# Altium PCB PCB3.PcbDoc
Units mm, origin at the board's own origin, x right, y up, seen from the top; angles counter-clockwise.
Board outline 99.85 x 80.11 mm, 2 copper layers (Top Layer, Bottom Layer); 64 components, 43 nets, 242 pads, 59 vias.
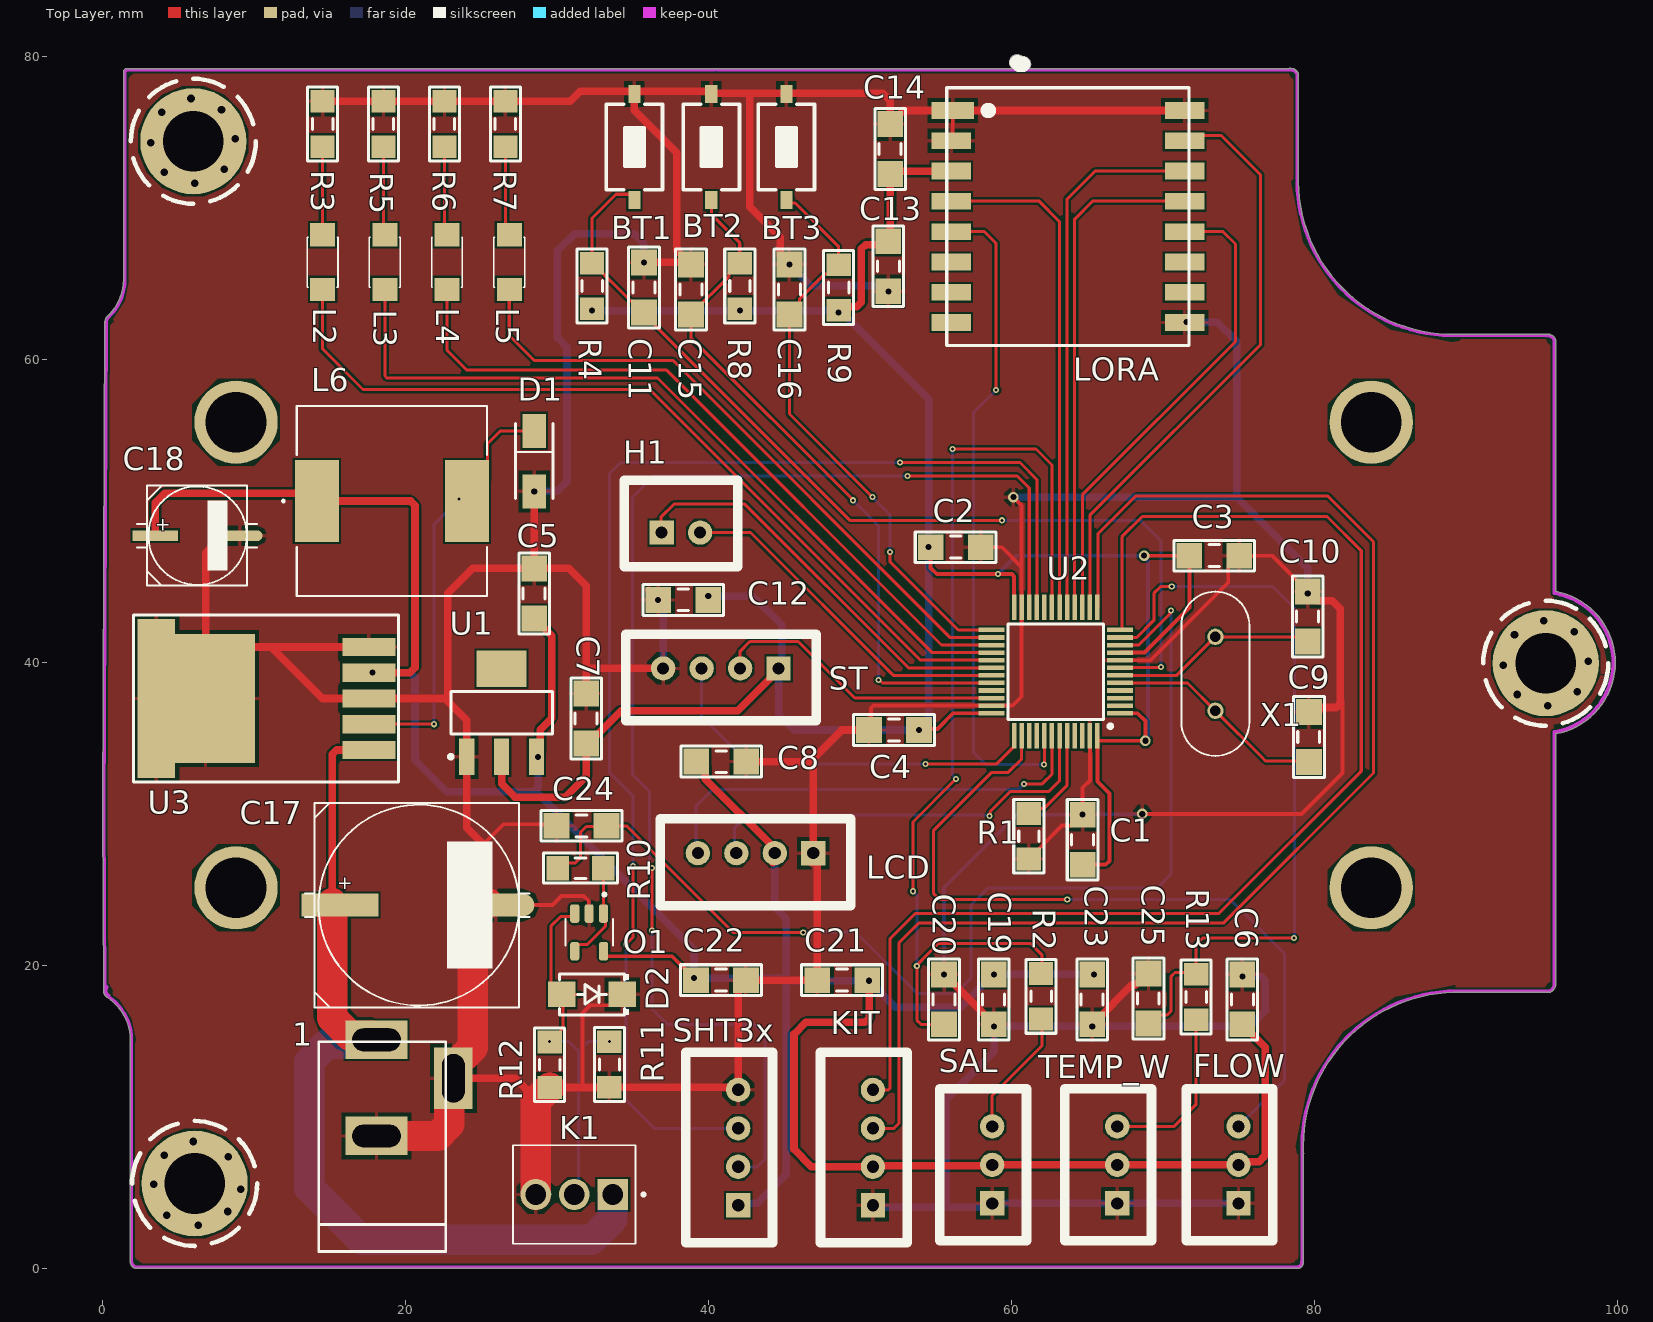
[diagram p0: Top Layer view]
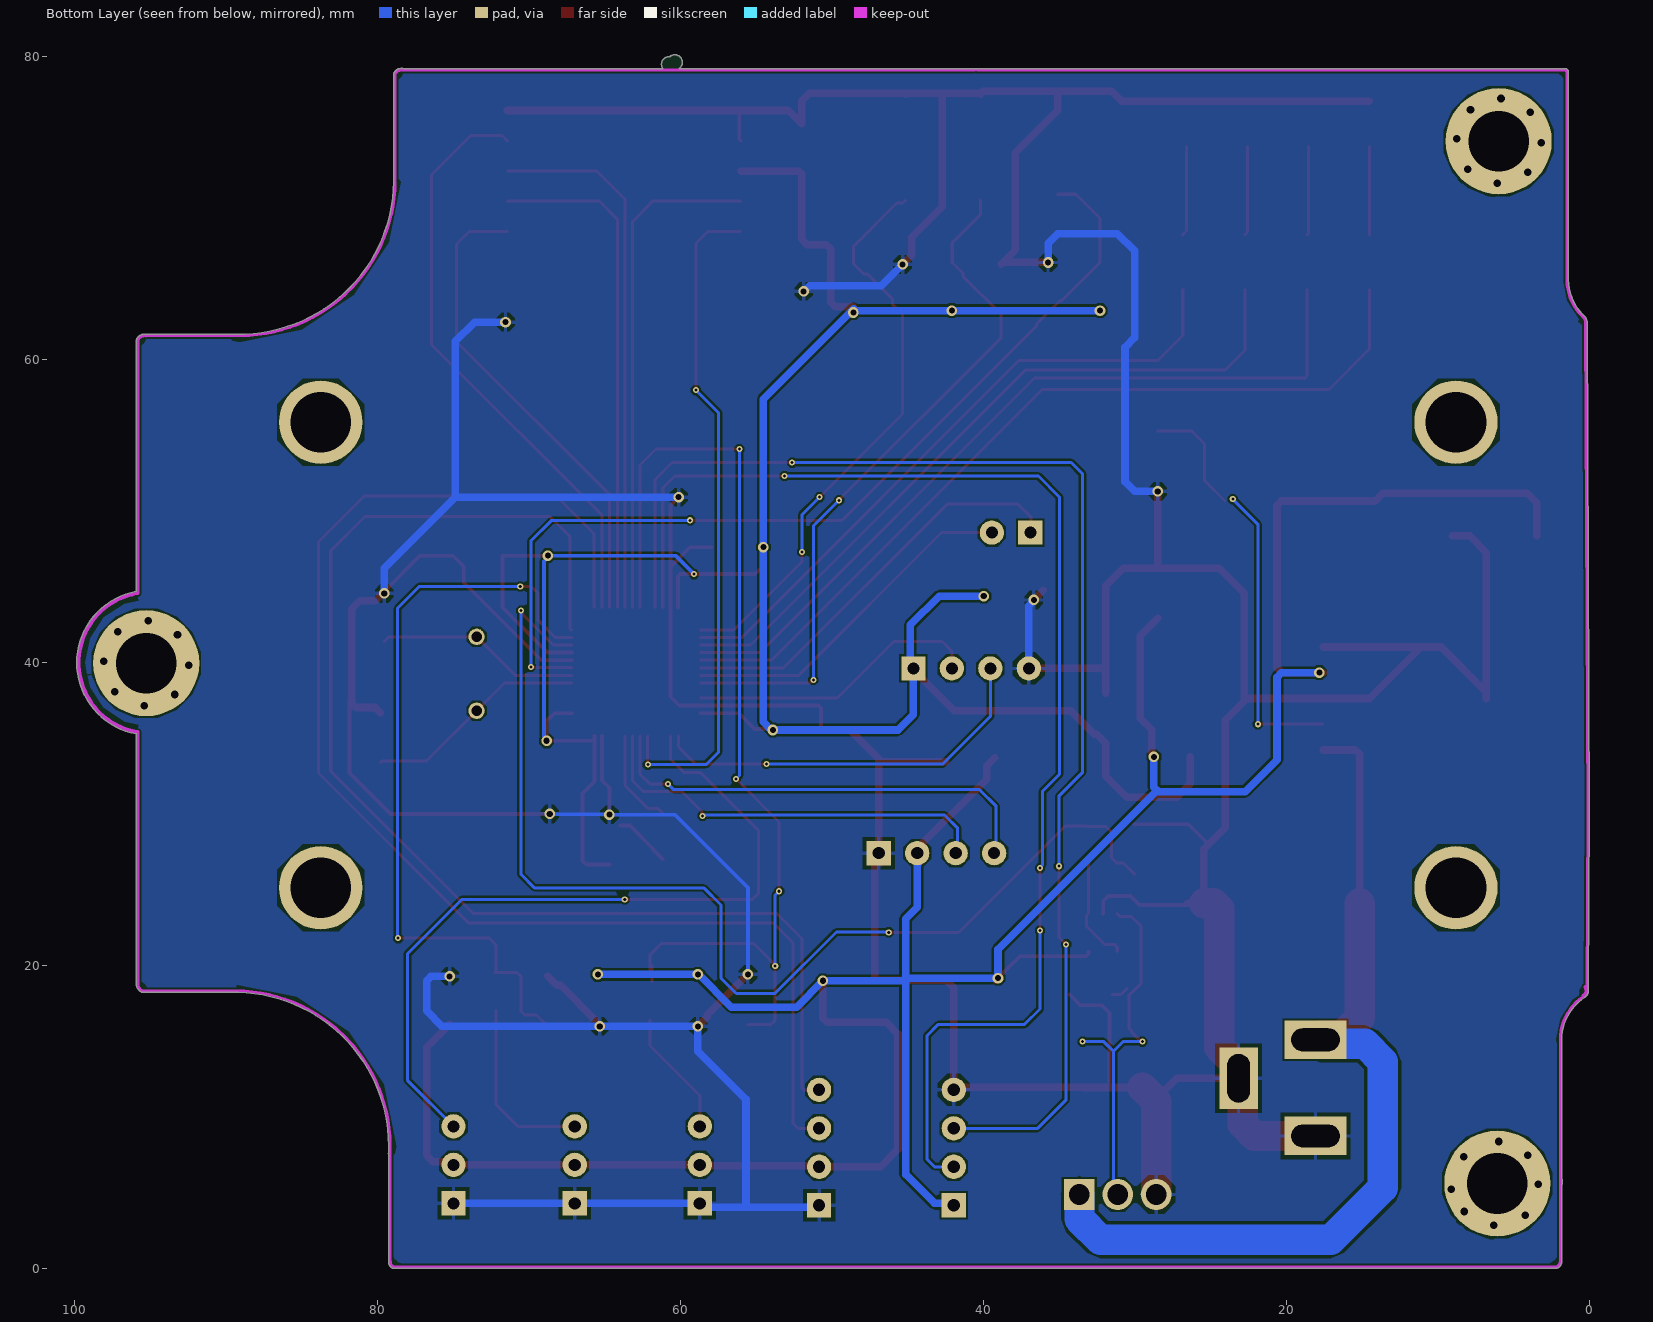
[diagram p1: Bottom Layer view, seen from below]
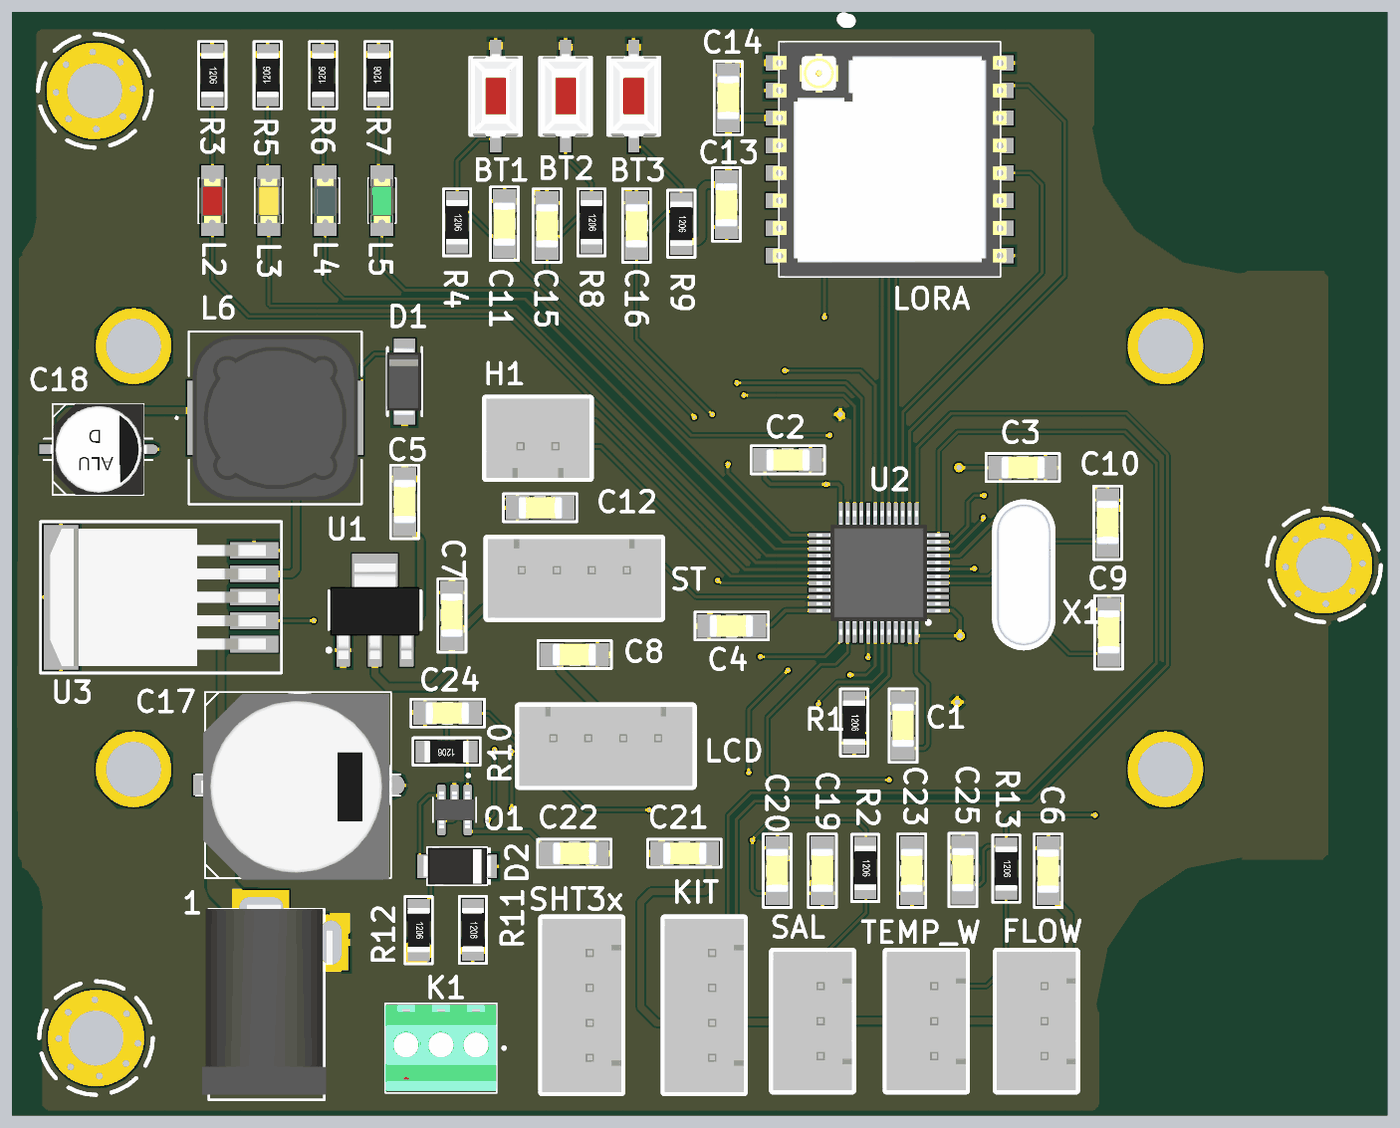
[diagram p2: 3D render of the assembled board from above, using the file's embedded part models]

## Layer stack, top to bottom
Top Solder: solder mask 0.0102, Solder Resist, Dk 3.5
Top Layer: signal copper 0.0356
Dielectric 1: dielectric 0.32, FR-4, Dk 4.8
Bottom Layer: signal copper 0.0356
Bottom Solder: solder mask 0.0102, Solder Resist, Dk 3.5

## Board outline
0.274,17.935 cw(c0.559,18.364) 0.046,18.41 -0.024,30.098 0.128,62.481 cw(c0.776,62.428) 0.401,62.958 ccw(c-1.986,65.313) 1.366,65.261 1.366,79.038 cw(c1.467,79.038) 1.387,79.099 cw(c1.829,78.765) 1.487,79.201 cw(c1.549,79.122) 1.562,79.221 40.411,79.221 cw(c40.411,79.121) 40.475,79.199 cw(c40.538,79.121) 40.538,79.221 60.05,79.221 59.997,79.275 cw(c60.35,79.629) 60.684,80.002 60.731,80.002 cw(c60.731,79.502) 61.232,79.502 cw(c60.731,79.502) 61.146,79.221 78.27,79.221 cw(c78.381,78.638) 78.492,79.221 78.541,79.221 cw(c78.541,79.121) 78.624,79.178 cw(c78.38,78.659) 78.905,78.889 cw(c78.813,78.849) 78.914,78.849 78.914,71.857 cw(c78.813,71.857) 78.898,71.802 cw(c78.809,71.755) 78.909,71.756 ccw(c89.078,71.857) 89.281,61.689 cw(c89.306,61.592) 89.306,61.693 89.41,61.693 ccw(c89.078,71.852) 89.529,61.697 cw(c89.533,61.597) 89.564,61.693 95.449,61.693 cw(c95.449,61.592) 95.52,61.663 cw(c95.344,61.11) 95.873,61.349 cw(c95.764,61.297) 95.885,61.302 cw(c95.784,61.302) 95.884,61.288 95.884,44.707 cw(c95.047,40.005) 99.823,40.005 cw(c95.047,40.005) 95.884,35.303 95.884,29.155 95.884,18.699 cw(c95.783,18.699) 95.881,18.675 cw(c95.275,18.815) 95.536,18.251 cw(c95.494,18.342) 95.484,18.242 89.179,18.241 cw(c89.179,18.342) 89.158,18.244 ccw(c89.408,8.077) 79.239,8.126 cw(c79.144,8.094) 79.244,8.094 79.244,7.745 ccw(c89.406,8.077) 79.249,7.626 cw(c79.134,7.624) 79.244,7.591 79.244,0.468 cw(c79.144,0.468) 79.227,0.412 cw(c78.832,0.412) 78.837,0.017 2.171,0.017 cw(c2.171,0.117) 2.141,0.022 cw(c2.286,0.483) 1.803,0.461 1.803,5.549 cw(c1.932,5.627) 1.781,5.627 cw(c5.932,5.627) 1.803,6.051 1.803,15.09 ccw(c-1.703,15.108) 1.803,15.107 ccw(c-1.55,15.107) 0.307,17.899 cw(c0.362,17.983)

## Design rules (kind name [scope] priority, off if disabled: settings)
Clearance power [InNetClass('power')] p1: gap=0.254 ignorepadtopadclearanceinfootprint=FALSE
Clearance Signal [All] p2: gap=0.127 ignorepadtopadclearanceinfootprint=FALSE
PolygonConnect [All] p1: connectstyle=Relief reliefconductorwidth=0.254 reliefentries=4 polygonreliefangle="90 Angle" airgapwidth=0.254
RoutingVias power_RoutingVias [InNetClass('power')] p1: holewidth=0.4 width=0.7 viastyle="Through Hole" minholewidth=0.4 minwidth=0.7 maxholewidth=0.6 maxwidth=1.1
RoutingVias Signal_RoutingVias_1 [All] p2: holewidth=0.2 width=0.4 viastyle="Through Hole" minholewidth=0.2 minwidth=0.4 maxholewidth=0.2 maxwidth=0.4
SolderMaskExpansion [All] p1: expansion=0.102 istentingtop=FALSE
Width Width_power [InNetClass('power')] p1: maxlimit=2 minlimit=0.254 preferedwidth=0.5
Width Width_signal [All] p2: maxlimit=0.2 minlimit=0.2 preferedwidth=0.2
30 further rules are at their usual default settings.

## Components (designator, comment, footprint, x,y, rotation, side; value= is the part's Value field where it differs from the comment)
1 "JACK DC 5.5" "JACK DC 5.5" 20.599,11.938 r90 top value="Jac DC"
BT1 "Nut Nhan 2 Chan SMD 3x6x2.5" "Nut Nhan 2 Chan SMD 3x6x2.5" 35.077,74.041 r270 top
BT2 "Nut Nhan 2 Chan SMD 3x6x2.5" "Nut Nhan 2 Chan SMD 3x6x2.5" 40.157,74.041 r270 top
BT3 "Nut Nhan 2 Chan SMD 3x6x2.5" "Nut Nhan 2 Chan SMD 3x6x2.5" 45.11,74.041 r270 top
C1 "104" "tu 1206" 64.668,28.321 r90 top
C2 "104" "tu 1206" 56.287,47.625 r0 top
C3 "104" "tu 1206" 73.355,47.066 r0 top
C4 "104" "tu 1206" 52.222,35.56 r180 top
C5 "106" "tu 1206" 28.473,44.577 r90 top
C6 "104" "tu 1206" 75.209,17.78 r270 top
C7 "106" "tu 1206" 31.902,36.322 r90 top
C8 "104" "tu 1206" 40.818,33.477 r180 top
C9 "104" "tu 1206" 79.604,35.103 r90 top
C10 "104" "tu 1206" 79.527,43.053 r90 top
C11 "104" "tu 1206" 35.712,64.771 r270 top
C12 "104" "tu 1206" 38.304,44.145 r0 top
C13 "104" "tu 1206" 51.841,66.168 r270 top
C14 "106" "tu 1206" 51.968,73.913 r90 top
C15 "104" "tu 1206" 38.811,64.643 r270 top
C16 "104" "tu 1206" 45.314,64.643 r270 top
C17 "CN-ALU-SMD" CAP-ALU-SMD-H 20.853,24.003 r0 top
C18 "CN-ALU-SMD" CAP-ALU-SMD-D 6.248,48.387 r0 top
C19 "104" "tu 1206" 58.805,17.78 r90 top
C20 "105" "tu 1206" 55.524,17.78 r90 top
C21 "104" "tu 1206" 48.794,19.05 r0 top
C22 "104" "tu 1206" 40.792,19.05 r0 top
C23 "104" "tu 1206" 65.303,17.78 r90 top
C24 "105" "tu 1206" 31.598,29.235 r180 top
C25 "105" "tu 1206" 69.012,17.83 r90 top
D1 "SS34" DO-214AC#1 27.28,55.873 r270 top
D2 "Diode TVS" DO-214AC#2 32.283,18.11 r0 top
FLOW "Header" XH2.54M-3 74.955,4.318 r90 top
H1 "Header 2P" XH2.54M-2 36.881,48.59 r0 top
K1 "KF128" KF128_3V 35.281,8.153 r180 top
KIT "Header 4P" XH2.54M-4 50.825,4.191 r90 top
L2 "LED 0805" LED-1206-Red 14.503,64.643 r90 top
L3 "LED 0805" LED-1206-Yellow 18.61,64.643 r90 top
L4 "LED 0805" LED-1206-Blue 22.716,64.643 r90 top
L5 "LED 0805" LED-1206-Green 26.822,64.643 r90 top
L6 "CDRH127" 33uH 12.649,44.348 r0 top
LCD "Header 4P" XH2.54M-4 46.888,27.432 r180 top
LORA "Ra-02" Sx1278 54.047,60.461 r0 top
O1 "MCP601T-I" MCP601T-I 30.749,23.851 r270 top
R1 "10k" "tro smd 1206" 61.112,28.55 r270 top
R2 "200k" "tro smd 1206" 61.925,17.983 r270 top
R3 "1k" "Tro smd 1206" 14.503,75.565 r270 top
R4 "10k" "tro smd 1206" 32.283,64.872 r270 top
R5 "1k" "Tro smd 1206" 18.525,75.565 r90 top
R6 "1k" "Tro smd 1206" 22.547,75.565 r90 top
R7 "1k" "Tro smd 1206" 26.568,75.565 r90 top
R8 "10k" "tro smd 1206" 42.037,64.872 r270 top
R9 "10k" "tro smd 1206" 48.565,64.77 r270 top
R10 "200k" "tro smd 1206" 31.521,26.441 r180 top
R11 "330R" "tro smd 1206" 33.426,13.486 r270 top
R12 "330R" "tro smd 1206" 29.489,13.462 r270 top
R13 "200K" "tro smd 1206" 72.161,17.932 r270 top
SAL "Header 3P" XH2.54M-3 58.699,4.318 r90 top
SHT3x "Header 4P" XH2.54M-4 41.935,4.191 r90 top
ST "Header 4P" XH2.54M-4 44.602,39.624 r180 top
TEMP_W "Header 3P" XH2.54M-3 66.954,4.318 r90 top
U1 "LM1117-3.3V" SOT223 26.314,36.703 r0 top
U2 "STM32F103C8T6" LQFP-48_19.6_393_58X11_SMD 62.894,39.417 r180 top
U3 "LM2596" TO263-5 18.026,37.641 r90 top
X1 "Crystal_8MHz" XTAL_8MHz 75.59,33.733 r90 top

## Footprints (in the part's own frame and the unit in brackets; to place one, negate y for a bottom-side part, rotate by r counter-clockwise, add the part's x,y. Pads: shape width x height; smd on the part's side, far side on the other; paste and mask are expansions set on the pad)
33uH [mil]
  rect 114x213 smd: 1(58,249) 2(448,249)
  silkscreen extent -32,2 500,496, body extent 17,13 489,485, height 315
CAP-ALU-SMD-D [mm]
  rect 3x0.7 smd: 1(-2.794,0)
  oval 3x0.7 smd: 2(2.794,0)
  silkscreen extent -4,-3.3 3.93,3.3, body extent -3.5,-3.3 3.5,3.3, height 5.4
CAP-ALU-SMD-H [mm]
  rect 5.08x1.5 smd: 1(-5.207,0)
  oval 5.08x1.5 smd: 2(5.08,0)
  silkscreen extent -7.52,-6.75 7.3,6.75, body extent -7.15,-6.88 6.65,6.62, height 13.5
DO-214AC#1 [mm]
  rect 2.25x1.55 smd: 1(0.565,1.194) 2(4.565,1.194)
  silkscreen extent 0.09,-0.06 5.04,2.44, body extent 0.09,-0.11 5.04,2.39, height 2.2
DO-214AC#2 [mm]
  rect 1.8x1.7 smd: 1(-2,0) 2(2,0)
  silkscreen extent -2.15,-1.36 2.45,1.36, body extent -2.49,-1.35 2.51,1.35, height 2.2
"JACK DC 5.5" [mm] "Jac DC input"
  rect 2.54x4.064 hole 1.5 slot 3.2 at 90 deg: 1(3.175,2.54) 2(-3.175,2.54)
  rect 4.064x2.54 hole 1.5 slot 3.2 at 0 deg: 3(0.635,-2.54)
  silkscreen extent -10.79,-2.03 3.05,6.35, body extent -10.42,-2.67 3.4,6.84, height 11.02
KF128_3V [mm]
  rect 2.04x2.04 / inner round 2.04 / far side rect 2.04x2.04 hole 1.36: 1(1.626,3.251)
  round 2.04 hole 1.36: 2(4.166,3.251) 3(6.706,3.251)
  silkscreen extent -0.51,0 8.21,6.5, body extent 0.13,0.12 8.2,6.39, height 8.5
LED-1206-Blue [mil] "Compoment SMD 120x60mil"
  rect 60x65 smd: 1(0,0) 2(142,0)
  silkscreen extent 6,-40 136,40, body extent 7,-31 133,32, height 43
LED-1206-Green [mil]
  rect 60x65 smd: 1(0,0) 2(142,0)
  silkscreen extent 6,-40 136,40, body extent 7,-31 133,32, height 43
LED-1206-Red [mil]
  rect 60x65 smd: 1(0,0) 2(142,0)
  silkscreen extent 6,-40 136,40, body extent 7,-31 133,32, height 43
LED-1206-Yellow [mil]
  rect 60x65 smd: 1(0,0) 2(142,0)
  silkscreen extent 6,-40 136,40, body extent 7,-31 133,32, height 43
LQFP-48_19.6_393_58X11_SMD [mm] "48LQFP"
  rect 1.7x0.3 smd mask+0.076: 1(-4.238,2.75) 2(-4.238,2.25) 3(-4.238,1.75) 4(-4.238,1.25) 5(-4.238,0.75) 6(-4.238,0.25) 7(-4.238,-0.25) 8(-4.238,-0.75) 9(-4.238,-1.25) 10(-4.238,-1.75) 11(-4.238,-2.25) 12(-4.238,-2.75) 25(4.238,-2.75) 26(4.238,-2.25) 27(4.238,-1.75) 28(4.238,-1.25) 29(4.238,-0.75) 30(4.238,-0.25) 31(4.238,0.25) 32(4.238,0.75) 33(4.238,1.25) 34(4.238,1.75) 35(4.238,2.25) 36(4.238,2.75)
  rect 0.3x1.7 smd mask+0.076: 13(-2.75,-4.238) 14(-2.25,-4.238) 15(-1.75,-4.238) 16(-1.25,-4.238) 17(-0.75,-4.238) 18(-0.25,-4.238) 19(0.25,-4.238) 20(0.75,-4.238) 21(1.25,-4.238) 22(1.75,-4.238) 23(2.25,-4.238) 24(2.75,-4.238) 37(2.75,4.238) 38(2.25,4.238) 39(1.75,4.238) 40(1.25,4.238) 41(0.75,4.238) 42(0.25,4.238) 43(-0.25,4.238) 44(-0.75,4.238) 45(-1.25,4.238) 46(-1.75,4.238) 47(-2.25,4.238) 48(-2.75,4.238)
  silkscreen extent -3.73,-3.15 3.15,3.72, body extent -4.5,-4.5 4.5,4.5, height 1.7
MCP601T-I [mm]
  rrect50% 1.22x0.6 smd: 1(0.406,2.296) 2(0.406,1.346) 3(0.406,0.396) 4(2.896,0.396) 5(2.896,2.296)
  silkscreen extent -0.95,-0.22 2.53,2.92, body extent 0.3,-0.1 3,2.8, height 1.45
"Nut Nhan 2 Chan SMD 3x6x2.5" [mm] "Switch SMD type"
  rect 1.2x0.8 smd: 1(-3.5,0) 2(3.5,0)
  silkscreen extent -2.82,-1.85 2.82,1.85, body extent -3.05,-1.85 3.05,1.85, height 2.5
SOT223 [mm]
  rect 1x2.4 smd: 1(-2.3,-2.9) 2(0,-2.9) 3(2.3,-2.9)
  rect 3.3x2.4 smd: 4(0,2.9)
  silkscreen extent -3.47,-3.02 3.35,1.4, body extent -3.25,-3.56 3.25,3.4, height 1.68
Sx1278 [mm]
  rect 2.8x1.1 smd: 1(2.052,15.992)
  rect 2.6x1.1 smd: 2(1.952,13.992) 3(1.952,11.992) 4(1.952,9.992) 5(1.952,7.992) 6(1.952,5.992) 7(1.952,3.992) 8(1.952,1.992) 9(17.352,1.992) 10(17.352,3.992) 11(17.352,5.992) 12(17.352,7.992) 13(17.352,9.992) 14(17.352,11.992) 15(17.352,13.992) 16(17.352,15.992)
  silkscreen extent 1.65,0.49 17.65,17.49, body extent 1.15,0.49 18.15,17.49, height 3.3
TO263-5 [mm] "LM2576-SMD"
  rect 1.2x3.5 smd: 1(-3.4,0.475) 2(-1.7,0.475) 3(0,0.475) 4(1.7,0.475) 5(3.4,0.475)
  rect 10.5x2.5 smd: 6(0,14.5)
  rect 8.5x6.5 smd: 6(0,11.25)
  silkscreen extent -5.5,-1.5 5.5,16, body extent -5,-0.38 5,15.29, height 4.79
"tro smd 1206" [mm]
  rect 1.5x1.6 smd: 1(-1.5,0) 2(1.5,0)
  silkscreen extent -2.44,-0.99 2.44,0.99, body extent -1.6,-0.8 1.6,0.8, height 0.6
"Tro smd 1206" [mm]
  rect 1.5x1.6 smd: 1(-1.5,0) 2(1.5,0)
  silkscreen extent -2.44,-0.99 2.44,0.99, body extent -1.6,-0.8 1.6,0.8, height 0.6
"tu 1206" [mm]
  rect 1.7x1.7 smd: 1(-1.65,0) 2(1.65,0)
  silkscreen extent -2.67,-1.02 2.67,1.02, body extent -1.57,-0.8 1.63,0.8, height 0.94
XH2.54M-2 [mm]
  rect 1.6x1.6 hole 0.8: 1(0,0)
  round 1.6 hole 0.8: 2(2.54,0)
  silkscreen extent -2.48,-2.26 5.02,3.46, body extent -2.48,-2.26 5.02,3.48, height 6.91
XH2.54M-3 [mm]
  rect 1.6x1.6 hole 0.8: 1(0,0)
  round 1.6 hole 0.8: 2(2.54,0) 3(5.08,0)
  silkscreen extent -2.48,-2.26 7.56,3.46, body extent -2.48,-2.26 7.56,3.48, height 6.91
XH2.54M-4 [mm]
  rect 1.6x1.6 hole 0.8: 1(0,0)
  round 1.6 hole 0.8: 2(2.54,0) 3(5.08,0) 4(7.62,0)
  silkscreen extent -2.48,-2.26 10.1,3.46, body extent -2.48,-2.26 10.1,3.48, height 6.91
XTAL_8MHz [mm]
  round 1.08 hole 0.68: 1(3.097,2.159) 2(7.977,2.159)
  silkscreen extent 0.11,-0.09 10.96,4.41, body extent 0.11,-0.09 10.96,4.41, height 3.68

## Part data
C1 C2 C3 C4 C6 C8 C9 C10 C11 C12 C13 C15 C16 C19 C21 C22 C23: library part "Tu 1206 104 50V 20%", "Dán", Chung_Loai=Dán, Don_Vi=Con, Ma_Hang=MH004544, So_Chan=2, Ten_Linh_Kien="Tụ 1206 104-0.1uF 20% 50V"
C5 C7 C14: library part "Tu 1206 106 16V 20%", "Dán", Chung_Loai=Dán, Don_Vi=Con, Ma_Hang=MH004541, So_Chan=2, Ten_Linh_Kien="Tụ 1206 106-10uF 20% 16V"
C17 C18: "Polarized Capacitor (Axial)", LatestRevisionDate=17-Jul-2002, LatestRevisionNote="Re-released for DXP Platform.", PackageReference=POLAR0.8, Published=8-Jun-2000, Publisher="Altium Limited"
C20 C24 C25: library part "Tu 1206 105 50V 20%", "Dán", Chung_Loai=Dán, Don_Vi=Con, Ma_Hang=MH004545, So_Chan=2, Ten_Linh_Kien="Tụ 1206 105-1uF 20% 50V"
D1: library part SS54, "Diode Schottky 40 V 5A Surface Mount DO-214AC (SMA)"
D2: "TVS Diodes - Transient Voltage Suppressors", Code_JEDEC=DO-214-AB, LatestRevisionDate=17-Jul-2002, LatestRevisionNote="Re-released for DXP Platform.", PackageReference=SMC, PackageVersion=Sep-1996, Published=8-Jun-2000, Publisher="Altium Limited"
FLOW SAL TEMP_W: library part "Header 3P 2.54 Duc Thang", "Cắm", Chung_Loai=Cắm, Don_Vi=Con, Ma_Hang=MH001292, Ten_Linh_Kien="Header 3P XH2.54-3P Đực Thẳng"
H1: library part "Header 2P 2.54 Duc Thang", "Cắm", Chung_Loai=Cắm, Don_Vi=Con, Ma_Hang=MH001283, Ten_Linh_Kien="Header 2P XH2.54-2P Đực Thẳng"
K1: library part KF128_3V, "KF128-3-V Domino 3 Chân Thẳng 2.54mm 150V 6A Hàn PCB"
KIT LCD SHT3x ST: library part "Header 4P 2.54 Duc Thang", "Cắm", Chung_Loai=Cắm, Don_Vi=Con, Ma_Hang=MH001285, Ten_Linh_Kien="Header 4P XH2.54-4P Đực Thẳng"
L2: library part "LED 1206 Do", "Dán", Chung_Loai=Dán, Don_Vi=Con, Ma_Hang=MH002334, Ten_Linh_Kien="LED1206 Màu Đỏ (Red)"
L3: library part "LED 1206 Vang", "Dán", Chung_Loai=Dán, Don_Vi=Con, Ma_Hang=MH002331, Ten_Linh_Kien="LED1206 Màu Vàng (Yellow)"
L4: library part "LED 1206 Xanh Duong", "Dán", Chung_Loai=Dán, Don_Vi=Con, Ma_Hang=MH002333, Ten_Linh_Kien="LED1206 Màu Xanh Dương (Blue)"
L5: library part "LED 1206 Xanh La", "Dán", Chung_Loai=Dán, Don_Vi=Con, Ma_Hang=MH002947, Ten_Linh_Kien="LED1206 Màu Xanh Lá (Green)"
L6: "33uH - Inductor 4.2 A"
LORA: "Lora sx1278"
O1: "MCP601T-I/OT IC OPAMP General Purpose Amplifier 1 Circuit 2.8MHz, 5-SOT-23"
R1 R4 R8 R9: library part "Tro 1206 1% 10k", "Dán", Chung_Loai=Dán, Don_Vi=Con, Ma_Hang=MH005885, So_Chan=2, Ten_Linh_Kien="Trở 1206 1% 10k"
R2 R10 R13: library part "Tro 1206 5% 100K", "Dán", Chung_Loai=Dán, Don_Vi=Con, Ma_Hang=MH005921, So_Chan=2, Ten_Linh_Kien="Trở 1206 5% 100k"
R3 R5 R6 R7: library part "Tro 1206 5% 390R", "Dán", Chung_Loai=Dán, Don_Vi=Con, Ma_Hang=MH005927, So_Chan=2, Ten_Linh_Kien="Trở 1206 5% 390R"
R11 R12: library part "Tro 1206 1% 10R", "Dán", Chung_Loai=Dán, Don_Vi=Con, Ma_Hang=MH005886, So_Chan=2, Ten_Linh_Kien="Trở 1206 1% 10R"
U1: library part LM1117, "800mA Low-Dropout Linear Regulator", Creator="Nguyen Ba Bien", Website=http://group3i.net
U2: library part IC_STM32F103C8T6, "ARM® Cortex®-M3 STM32F1 Microcontroller IC 32-Bit 72MHz 64KB (64K x 8) FLASH 48-LQFP (7x7)", Alternate Part Number-1=NA, Case/Package=LQFP48, Manufacturer=STMicroelectronics, Manufacturer Part Number=STM32F103C8T6, Supplier Part Number-1=STM32F103C8T6, Supplier-1=LCSC
U3: "1A Regulator"
X1: "8MHz"
BT1 BT2 BT3: Ma_Hang=MH001036, Ten="Nút Nhấn 2 Chân 3x6x2.5MM SMD"

## Free pads (board coordinates)
  round 7 hole 4 mask+0.1: 52(5.969,74.422) 52(6.059,5.627) 52(95.238,39.968)
  round 5.5 hole 4 mask+0.1: 52(8.788,25.146) 52(8.788,55.88) 52(83.718,25.146) 52(83.718,55.88)
  round 0.5 hole 0.5 mask+0.1: 68(8.738,74.574) 68(9.107,5.246) 68(98.032,40.095) 69(7.829,76.513) 69(8.28,7.391) 69(97.124,42.033) 70(5.817,77.241) 70(5.977,8.401) 70(95.111,42.762) 71(3.878,76.333) 71(4.039,7.493) 71(93.173,41.854) 72(3.15,74.32) 72(3.353,5.588) 72(92.444,39.841) 73(4.058,72.382) 73(4.216,3.531) 73(93.352,37.902) 74(6.071,71.653) 74(6.299,2.87) 74(95.365,37.174) 75(8.009,72.562) 75(8.238,3.778) 75(97.304,38.082)

## Via types
v1: diameter 0.4, hole 0.2, Top Layer to Bottom Layer, 31 vias
v2: diameter 0.7, hole 0.4, Top Layer to Bottom Layer, 28 vias

## Nets (pads, with @x,y where several pads share a name; then routed paths per layer and width w, separated by ;. In a path a pad name is that pad's centre, name@x,y a point inside that pad or via, vN(x,y) a via of type N, cw(c..) or ccw(c..) an arc to the next point about the centre after c; other vN are vias at no path point)
+3.3: C1.1 C2.1 C3.1 C4.1 C7.1 C12.2 C13.1 C14.1 LORA.3 R4.2 R8.2 R9.2 ST.1 U1.2 U2.1 U2.9 U2.24 U2.36 U2.48 | length 174.8
  Top Layer w0.254: v2(39.955,44.399) C12.2@40.057,44.298 ; C4.1@54.454,35.622 55.078,35.622 56.123,36.667 U2.36 ; C2.1 54.637,46.25 55.04,45.847 59.996,45.847 60.144,45.698 U2.24 ; C1.1 66.193,26.671 66.446,26.924 66.446,31.369 65.644,32.171 U2.48@65.644,34.872 ; U2.48 U2.48@65.644,34.872 ; U2.1 68.286,36.667 68.809,36.144 v2(68.809,34.849) 65.667,34.849 U2.48@65.644,34.872 ; U2.9 68.759,40.667 71.73,43.637 71.73,47.042 C3.1 v2(68.732,47.066)
  Top Layer w0.5: U1.2 26.314,32.004 27.203,31.115 30.505,31.115 31.902,32.512 C7.1 32.502,35.272 32.656,35.272 34.214,36.83 41.91,36.83 44.052,38.972 44.052,39.074 ST.1 ; R9.2@48.563,63.5 49.771,63.5 50.063,63.793 50.063,67.31 50.356,67.603 51.626,67.603 C13.1 51.968,67.945 C14.1 52.158,72.453 LORA.3
  Bottom Layer w0.254: v1(59.08,45.847) 60.3,47.066 v2(68.732,47.066) 68.732,46.948 68.986,46.694 68.986,35.147 68.809,34.969 v2(68.809,34.849)
  Bottom Layer w0.5: v2(32.283,63.246) v2(42.062,63.246) 48.412,63.246 48.539,63.373 54.508,57.404 v2(54.508,47.625) 54.508,36.093 v2@53.968,35.553 ; v2(39.955,44.399) 42.901,44.399 44.806,42.494 44.806,39.827 ST.1 44.602,36.576 45.618,35.56 v2(53.872,35.56)
  other v2: 48.565,63.119
+5: C5.1 C6.2 C8.2 C18.1 C19.2 C21.2 C22.1 C23.2 FLOW.2 KIT.2 L6.1 LCD.2 O1.5 SAL.2 SHT3x.1 TEMP_W.2 U1.3 U3.4 | length 206
  Top Layer w0.254: O1.5 33.045,20.793 33.217,20.622 37.569,20.622 38.418,19.773 v2(39.014,19.177)
  Top Layer w0.5: C18.1 3.454,50.546 4.089,51.181 13.614,51.181 L6.1 20.307,50.673 20.599,50.38 20.599,39.677 20.263,39.341 v2(17.805,39.341) U3.4 ; C5.1 29.616,41.784 29.616,36.322 28.864,35.57 U1.3@28.864,34.053 ; v2(39.014,19.177) C22.1 ; C8.2@39.243,33.721 39.768,33.196 39.768,32.317 44.138,27.947 44.138,27.642 LCD.2 ; LCD.2@44.221,26.797 LCD.2@44.221,27.432 ; v2(50.571,19.009) 50.571,16.549 50.279,16.256 46.38,16.256 45.618,15.494 45.618,7.874 46.761,6.731 KIT.2 50.889,6.794 58.636,6.794 SAL.2 TEMP_W.2 FLOW.2 75.166,7.068 76.314,7.068 76.606,7.361 76.606,7.366 76.733,7.493 76.733,14.606 C6.2 ; C19.2 C19.2 v2(58.826,19.431)
  Bottom Layer w0.5: v2(17.805,39.341) 20.307,39.341 20.599,39.048 20.599,33.604 22.708,31.496 28.435,31.496 28.727,31.789 v2(28.727,33.782) ; 28.517,31.579 39.014,21.082 v2(39.014,19.177) 45.11,19.177 ; SHT3x.1 42.062,4.318 43.205,4.318 45.11,6.223 45.11,19.177 ; LCD.2 44.348,23.876 45.11,23.114 45.11,19.177 ; v2(65.43,19.431) 58.772,19.431 56.613,17.272 52.308,17.272 v2(50.571,19.009) 45.278,19.009 45.11,19.177
+24: 1.1 C17.1 K1.1 U3.1 | length 60.5
  Top Layer w0.5: C17.1@15.138,24.13 15.138,33.948 15.431,34.241 U3.1
  Top Layer w2: C17.1@15.138,24.13 15.138,16.555 16.31,15.383 17.789,15.383 1.1
  Bottom Layer w2: 1.1 17.789,14.843 14.786,14.843 13.614,13.671 13.614,5.334 17.043,1.905 32.255,1.905 33.635,3.285 33.635,4.882 K1.1
BT1: BT3.2 C16.2 R9.1 U2.25 | length 38.3
  Top Layer w0.2: BT3.2 45.312,70.339 45.693,70.339 48.539,67.493 48.539,66.322 47.865,65.648 47.613,65.648 45.991,64.026 45.991,63.671 C16.2 45.314,56.413 v1(50.8,50.927) ; v1(51.946,47.31) 51.946,46.682 56.464,42.164 58.653,42.164 U2.25
  Bottom Layer w0.2: v1(50.8,50.927) 51.946,49.781 v1(51.946,47.31)
BT2: BT2.2 C15.2 R8.1 U2.32 | length 46.5
  Top Layer w0.2: BT2.2 40.157,69.596 42.037,67.716 R8.1 41.987,66.372 41.337,65.722 41.337,65.519 C15.2 38.811,61.443 49.505,50.749 v1(49.505,50.724) ; v1(51.206,38.862) 51.261,38.862 51.456,38.667 U2.32
  Bottom Layer w0.2: v1(49.505,50.724) 51.206,49.022 v1(51.206,38.862)
DIO0: LORA.5 U2.41 | length 44.4
  Top Layer w0.2: LORA.5 58.191,68.453 58.953,67.691 v1(58.953,57.988) ; v1(62.128,33.274) 62.136,33.282 62.136,35.171 U2.41
  Bottom Layer w0.2: v1(58.953,57.988) 57.455,56.49 57.455,34.112 58.293,33.274 v1(62.128,33.274)
GND: 1.2 1.3 BT1.1 BT2.1 BT3.1 C1.2 C2.2 C3.2 C4.2 C5.2 C6.1 C7.2 C8.1 C9.2 C10.2 C11.1 C12.1 C13.2 C14.2 C15.1 C16.1 C17.2 C18.2 C19.1 C20.2 C21.1 C22.2 C23.1 C24.2 C25.2 D1.2 D2.2 FLOW.1 K1.3 KIT.1 LCD.1 LORA.1 LORA.2 LORA.9 LORA.16 O1.2 R1.2 R3.1 R5.2 R6.2 R7.2 R11.2 R12.2 SAL.1 SHT3x.4 ST.4 TEMP_W.1 U1.1 U2.8 U2.23 U2.35 U2.47 U3.3 U3.5 U3.6 | length 531.9
  Top Layer w0.254: 25.171,27.94 25.171,28.067 26.44,29.336 C24.2@29.997,29.336 ; C17.2@26.503,24.13 26.63,24.003 29.667,24.003 30.277,24.613 31.725,24.613 32.067,24.27 32.067,23.473 O1.2 ; 31.648,11.962 31.648,16.891 32.145,17.387 33.56,17.387 D2.2 ; C4.2 50.699,35.687 50.699,37.018 50.848,37.167 U2.35 60.052,37.167 60.644,37.759 U2.23 60.644,46.315 ; LORA.2 56.099,74.553 LORA.1 ; C2.2 59.334,47.625 60.644,46.315 ; v2(60.096,50.927) 60.644,50.379 60.644,46.315 ; R1.2@61.162,27.05 61.785,27.673 61.785,27.723 63.311,29.248 C1.2@63.945,29.248 ; v2(64.668,29.971) 64.668,31.75 65.144,32.226 U2.47 ; U2.8 69.148,40.167 74.282,45.301 74.282,46.343 C3.2 77.164,47.066 C10.2 v2(79.527,44.577) ; v2(68.605,30.023) 79.121,30.023 81.813,32.715 81.813,37.465 81.686,37.592
  Top Layer w0.5: U3.6@6.776,37.641 U3.6@6.776,38.041 ; C18.2 7.892,48.387 6.776,47.271 U3.6@6.776,38.041 ; R3.1 R5.2 R6.2 R7.2 30.849,77.065 31.51,77.726 35.077,77.726 BT1.1 35.077,76.454 37.871,73.66 37.871,67.233 C15.1@38.683,66.421 ; U3.5 11.151,41.041 ; 1.3 27.203,12.573 27.965,11.811 R12.2@29.338,11.811 ; C17.2@25.425,24.13 25.425,27.686 25.171,27.94 24.014,29.097 U1.1 24.014,36.209 22.758,37.465 ; C17.2@25.933,24.13 C17.2@26.503,24.13 ; v2(28.473,51.308) C5.2 ; R12.2 31.648,11.962 33.402,11.962 R11.2 41.76,11.986 SHT3x.4 41.935,18.543 C22.2 C21.1 47.144,27.176 LCD.1 46.888,33.477 C8.1 ; C7.2 31.902,39.37 ; BT1.1@35.263,77.726 40.007,77.726 40.157,77.576 BT2.1 40.213,77.597 42.697,77.597 ; v2(35.712,66.421) C15.1@38.683,66.421 ; C12.1@36.018,44.781 C12.1@36.527,44.272 ; v2(36.654,44.145) C12.1@36.527,44.272 ; C12.1@36.673,44.272 C12.1@36.527,44.272 ; ST.4 32.156,39.624 31.902,39.37 ; C15.1 C15.1@38.683,66.421 ; v2(45.314,66.293) 44.714,66.893 44.714,68.088 42.697,70.104 42.697,77.597 ; 46.685,33.477 48.768,35.56 C4.2 ; LCD.1@46.761,26.797 LCD.1@46.761,27.432 ; v2(55.524,19.43) 58.205,16.749 58.205,16.623 v2(58.826,16.002) ; C23.1@65.557,16.384 67.876,18.703 68.132,18.703 C25.2@68.732,19.303 ; LORA.16 LORA.1 52.858,76.453 C14.2 51.968,77.089 51.46,77.597 45.166,77.597 BT3.1 45.054,77.597 42.697,77.597 ; C10.2@79.654,44.576 80.127,44.103 81.144,44.103 81.686,43.561 81.686,37.592 81.686,37.338 81.394,37.045 80.125,37.045 C9.2@79.781,36.702 ; U3.6@6.776,38.041 9.776,41.041 11.151,41.041 ; 11.151,41.041 11.151,40.984 14.493,37.641 U3.3 22.582,37.641 22.758,37.465 ; 22.758,37.465 22.758,44.577 24.409,46.228 C5.2 ; C5.2 30.759,46.228 31.902,45.085 31.902,39.37
  Top Layer w2: 1.2 22.095,8.763 22.869,9.538 22.869,12.303 1.3 23.139,13.335 24.409,14.605 24.409,23.753 24.786,24.13 C17.2@25.425,24.13 ; K1.3@28.55,4.866 28.575,4.891 K1.3 28.575,11.048 29.338,11.811 R12.2
  Bottom Layer w0.254: v2(55.524,19.43) 55.524,25.146 60.349,29.971 v2(64.668,29.971) 64.694,29.997 68.579,29.997 v2(68.605,30.023)
  Bottom Layer w0.5: v2(28.473,51.308) 29.997,51.308 30.632,51.943 30.632,60.833 29.997,61.468 29.997,67.183 31.14,68.326 35.077,68.326 35.712,67.691 v2(35.712,66.421) ; v2(36.654,44.145) 36.654,44.091 36.982,43.763 ST.4 ; v2(45.314,66.293) 46.71,64.897 51.449,64.897 51.83,64.516 v2(51.841,64.516) ; KIT.1@50.317,4.064 55.778,4.064 ; v2(60.096,50.927) 74.828,50.927 ; v2(71.526,62.484) 73.558,62.484 74.828,61.214 74.828,50.927 ; FLOW.1 TEMP_W.1 SAL.1 58.445,4.064 55.778,4.064 ; v2(75.209,19.304) 76.441,19.304 76.733,19.011 76.733,17.018 75.717,16.002 v2(58.826,16.002) 58.826,14.351 55.651,11.176 55.651,4.191 55.778,4.064 ; v2(79.527,44.577) 79.527,46.228 74.828,50.927
  other v2: 65.303,16.002
Led1: L2.1 U2.29 | length 56.6
  Top Layer w0.2: L2.1 14.503,60.706 17.17,58.039 36.093,58.039 53.965,40.167 U2.29
Led2: L3.1 U2.28 | length 53.2
  Top Layer w0.2: 18.61,58.918 L3.1 ; 18.727,58.801 36.601,58.801 54.735,40.667 U2.28
Led3: L4.1 U2.27 | length 48
  Top Layer w0.2: L4.1 22.716,60.621 24.028,59.309 37.211,59.309 55.353,41.167 U2.27
Led4: L5.1 U2.26 | length 43.1
  Top Layer w0.2: L5.1 26.822,61.595 28.473,59.944 37.643,59.944 55.931,41.656 58.645,41.656 U2.26
MISO: LORA.13 U2.16 | length 33.4
  Top Layer w0.2: U2.16 64.144,69.275 65.354,70.485 71.367,70.485 LORA.13
MOSI: LORA.14 U2.17 | length 35.5
  Top Layer w0.2: U2.17 63.644,70.604 65.493,72.453 LORA.14
NetC9_1: C9.1 U2.5 X1.1 | length 14.8
  Top Layer w0.2: U2.5 71.594,38.667 X1.1 76.606,33.655 76.606,33.645 76.724,33.528 79.655,33.528 C9.1@79.781,33.402
NetC10_1: C10.1 U2.6 X1.2 | length 13.6
  Top Layer w0.2: U2.6 70.888,39.167 X1.2 79.22,41.71 C10.1
NetD1_1: D1.1 L6.2 U3.2 | length 27.6
  Top Layer w0.2: U3.2 v1(21.869,35.941) ; L6.2 25.376,52.021 25.376,54.434 26.25,55.308 D1.1
  Bottom Layer w0.2: v1(21.869,35.941) 21.869,49.149 v1(23.52,50.8)
NetD2_1: D2.1 K1.2 O1.3 R11.1 R12.1 | length 25.4
  Top Layer w0.2: v1(29.489,14.986) 29.563,14.986 30.189,15.612 30.189,15.686 30.383,15.88 D2.1@30.383,18.11 ; D2.1 29.591,18.803 29.591,22.631 30.201,23.241 30.949,23.241 31.145,23.437 O1.3 ; D2.1@30.51,18.486 30.886,18.11 31.483,18.11
  Bottom Layer w0.2: v1(29.489,14.986) 30.759,14.986 31.394,14.351 ; K1.2 31.394,5.182 31.394,14.351 ; v1(33.426,14.986) 32.029,14.986 31.394,14.351
NetL2_2: L2.2 R3.2 | length 5.8
  Top Layer w0.2: L2.2 R3.2
NetL3_2: L3.2 R5.1 | length 5.9
  Top Layer w0.2: R5.1 18.525,68.334 L3.2
NetL4_2: L4.2 R6.1 | length 5.9
  Top Layer w0.2: R6.1 22.547,68.419 L4.2
NetL5_2: L5.2 R7.1 | length 5.9
  Top Layer w0.2: R7.1 26.568,68.504 L5.2
NetO1_1: O1.1 O1.4 R10.1 | length 7.6
  Top Layer w0.2: O1.4 31.145,21.217 31.342,21.413 31.984,21.413 33.177,22.606 33.177,23.313 O1.1 ; R10.1@33.015,26.848 R10.1@33.147,26.98 ; O1.1@33.04,23.572 R10.1@33.04,27.178
NetR1_1: R1.1 U2.44 | length 6.6
  Top Layer w0.2: R1.1 61.433,30.371 62.095,30.371 63.644,31.92 U2.44
NetR2_2: R2.2 SAL.3 | length 8.4
  Top Layer w0.2: SAL.3 58.699,11.43 61.974,14.705 R2.2@61.974,16.434
NetR13_2: R13.2 TEMP_W.3 | length 12
  Top Layer w0.2: TEMP_W.3 70.714,9.398 72.136,10.82 R13.2@72.136,17.042
NSS: LORA.15 U2.14 | length 39.4
  Top Layer w0.2: U2.14 65.144,49.727 76.403,60.985 76.403,72.212 73.812,74.803 71.749,74.803 LORA.15
PA0: C24.1 R10.2 U2.10 | length 75.3
  Top Layer w0.2: R10.2@29.997,26.036 30.747,26.786 31.18,26.786 31.521,27.127 31.521,28.804 31.909,29.191 33.153,29.191 33.172,29.21 34.595,29.21 41.605,22.2 v1(46.228,22.2) ; U2.10 67.142,41.157 68.361,41.157 70.453,43.249 70.453,43.398 v1(70.491,43.436)
  Bottom Layer w0.2: v1(46.228,22.2) 46.253,22.225 49.682,22.225 53.746,18.161 56.286,18.161 57.302,19.177 57.302,24.003 58.445,25.146 69.621,25.146 70.491,26.015 v1(70.491,43.436)
PA1: C25.1 R13.1 U2.11 | length 51.3
  Top Layer w0.2: U2.11 68.235,41.667 69.367,42.799 69.367,44.577 69.823,45.033 v1(70.55,45.033) ; C25.1@68.732,16.003 69.482,16.753 70.245,16.753 70.51,17.018 70.51,19.304 70.764,19.558 72.261,19.558 72.161,19.558 72.161,21.387 72.619,21.844 78.588,21.844 v1(78.613,21.819)
  Bottom Layer w0.2: v1(70.55,45.033) 77.217,45.033 78.638,43.612 78.638,21.844 v1(78.613,21.819)
PA15: FLOW.3 U2.38 | length 50.9
  Top Layer w0.2: U2.38 60.644,33.644 59.766,32.766 58.674,32.766 54.813,28.905 54.813,24.79 55.22,24.384 v1(63.652,24.384)
  Bottom Layer w0.2: v1(63.652,24.384) 74.397,24.384 78.003,20.777 78.003,12.446 FLOW.3
PB1: C20.1 R2.1 U2.19 | length 68.9
  Top Layer w0.2: v1(53.467,24.917) 53.467,29.489 v1(56.312,32.334) ; C20.1 54.001,16.13 53.721,16.41 53.721,20.041 54.466,20.786 55.143,21.463 61.239,21.463 61.974,20.728 61.974,19.532 R2.1 ; v1(56.083,54.102) 61.595,54.102 62.644,53.053 U2.19 ; R2.1@61.864,18.929 R2.1@61.864,20.014
  Bottom Layer w0.2: v1(53.467,24.917) 53.721,24.663 v1(53.721,19.99) ; v1(56.083,54.102) 56.083,32.563 v1(56.312,32.334)
RST: BT1.2 C11.2 R4.1 U2.7 | length 62.8
  Top Layer w0.2: BT1.2@35.077,70.922 33.863,70.922 32.283,69.342 R4.1 32.333,66.372 34.834,63.871 34.962,63.871 C11.2@35.752,63.082 ; C11.2 36.462,62.371 36.462,62.242 49.301,49.403 v1(59.334,49.403) ; U2.7 67.162,39.696 69.821,39.696 v1(69.85,39.726)
  Bottom Layer w0.2: v1(59.334,49.403) 68.478,49.403 69.85,48.031 v1(69.85,39.726)
RST_Lora: LORA.4 U2.18 | length 33.2
  Top Layer w0.2: LORA.4 56.031,70.485 61.773,70.485 63.144,69.113 U2.18
RX1: H1.2 U2.31 | length 23.1
  Top Layer w0.2: H1.2 42.748,48.59 52.171,39.167 U2.31
RX2: KIT.3 U2.13 | length 90.3
  Top Layer w0.2: KIT.3 52.222,9.271 52.553,9.601 52.553,21.514 53.873,22.835 73.99,22.835 83.871,32.715 83.871,47.981 80.848,51.003 68.174,51.003 65.684,48.514 65.684,43.695 U2.13
SCK: LORA.12 U2.15 | length 31.9
  Top Layer w0.2: U2.15 64.644,51.081 74.752,61.189 74.752,67.64 73.939,68.453 LORA.12
SCL1: LCD.4 U2.42 | length 30.6
  Top Layer w0.2: v1(60.808,32.004) 62.001,32.004 62.64,32.643 62.64,35.175 U2.42
  Bottom Layer w0.2: LCD.4@39.141,26.797 39.141,30.531 40.234,31.623 60.427,31.623 v1(60.808,32.004)
SCL2: SHT3x.3 U2.21 | length 87.8
  Top Layer w0.2: v1(34.519,21.412) 34.976,21.869 34.976,25.4 35.001,25.425 v1(35.001,26.568) ; v1(52.603,53.213) 60.528,53.213 61.644,52.097 U2.21
  Bottom Layer w0.2: v1(34.519,21.412) 34.519,11.151 36.398,9.271 SHT3x.3 ; v1(35.001,26.568) 35.001,31.191 33.426,32.766 33.426,52.451 34.188,53.213 v1(52.603,53.213)
SDA1: LCD.3 U2.43 | length 28.2
  Top Layer w0.2: v1(58.522,29.896) 58.56,29.934 58.56,30.163 59.893,31.496 62.433,31.496 63.144,32.207 U2.43
  Bottom Layer w0.2: LCD.3@41.681,26.797 41.681,29.083 42.545,29.947 58.329,29.947 58.342,29.934 58.483,29.934 v1(58.522,29.896)
SDA2: SHT3x.2 U2.22 | length 87.6
  Top Layer w0.2: v1(36.246,22.327) v1(36.246,26.441) ; v1(53.111,52.324) 60.35,52.324 61.144,51.53 U2.22
  Bottom Layer w0.2: v1(36.246,22.327) 36.246,17.145 37.262,16.129 42.951,16.129 43.713,15.367 43.713,7.239 43.205,6.731 SHT3x.2 ; v1(36.246,26.441) 36.246,26.496 36.093,26.648 36.093,31.496 34.95,32.639 34.95,50.927 36.347,52.324 v1(53.111,52.324)
SWCLK: ST.3 U2.37 | length 26.3
  Top Layer w0.2: v1(54.305,33.325) 58.99,33.325 60.094,34.429 60.094,35.129 U2.37
  Bottom Layer w0.2: ST.3 39.522,36.449 42.647,33.325 v1(54.305,33.325)
SWDIO: ST.2 U2.34 | length 19.5
  Top Layer w0.2: ST.2 42.062,40.767 42.697,41.402 45.895,41.402 49.63,37.667 U2.34
TX1: H1.1 U2.30 | length 27.7
  Top Layer w0.2: H1.1@36.83,48.59 36.83,49.606 37.694,50.47 42.367,50.47 53.17,39.667 U2.30
TX2: KIT.4 U2.12 | length 84.8
  Top Layer w0.2: KIT.4 51.851,11.811 51.968,11.928 51.968,21.793 53.619,23.444 73.66,23.444 83.058,32.842 83.058,47.396 80.797,49.657 68.605,49.657 67.259,48.311 67.259,42.217 67.209,42.167 U2.12
pads on no net: LORA.6 LORA.7 LORA.8 LORA.10 LORA.11 U1.4 U2.2 U2.3 U2.4 U2.20 U2.33 U2.39 U2.40 U2.45 U2.46

## Polygon pours and split planes (outlines as drawn)
GND on Top Layer "gnd top" (solid, remove dead copper, pour order 0): -0.279,79.604 99.746,79.604 100.279,79.07 100.279,-0.914 -0.279,-0.914
GND on Bottom Layer "gnd bottom" (solid, remove dead copper, pour order 1): -0.838,79.248 -0.737,79.35 99.746,79.35 99.746,0 99.517,-0.229 -0.178,-0.229

## Keep-outs
Keep-Out Layer:
  lines w0.2: 0.147,18.339 0.076,30.099 0.229,62.48 cw(c0.767,62.432) 0.465,62.881 ccw(c-1.986,65.313) 1.467,65.26 1.467,79.038 cw(c1.829,78.765) 1.549,79.122 ; 0.362,17.983 cw(c-1.55,15.107) 1.904,15.09 1.904,0.465 ccw(c2.286,0.483) 2.171,0.117 78.836,0.117 ccw(c78.832,0.412) 79.121,0.47 ; 1.549,79.121 11.328,79.121 40.411,79.121 ; 40.538,79.121 63.398,79.121 78.541,79.121 ; 78.296,79.124 cw(c78.38,78.659) 78.813,78.849 78.813,71.857 ; 78.809,71.755 ccw(c89.078,71.857) 89.533,61.597 ; 79.144,0.468 79.144,8.094 ; 79.148,7.622 cw(c89.408,8.077) 89.307,18.346 ; 89.179,18.342 95.474,18.342 ; 89.306,61.592 95.449,61.592 95.472,61.569 ; 95.259,61.576 cw(c95.351,61.113) 95.784,61.302 ; 95.494,18.342 ccw(c95.275,18.815) 95.783,18.699 95.783,29.155 95.783,35.433 ; 95.783,44.577 95.783,50.782 95.783,61.304 ; 79.122,0.468 79.122,0.468
  lines w0.254: 0.256,18.606 ccw(c0.559,18.364) 0.386,18.018 ; 95.811,35.42 ccw(c95.047,40.005) 95.811,44.59

## Silkscreen, mask and mechanical layers (free items; w line width, h text height)
Top Overlay:
  lines w0.3: 1.842,74.422 cw(c5.842,74.422) 2.378,76.422 ; 1.932,5.627 cw(c5.932,5.627) 2.468,7.627 ; 2.015,73.297 ccw(c5.879,74.332) 3.051,71.504 ; 2.105,4.502 ccw(c5.969,5.537) 3.141,2.709 ; 3.051,77.34 cw(c5.879,74.512) 4.844,78.376 ; 3.141,8.545 cw(c5.969,5.717) 4.934,9.581 ; 3.969,70.831 ccw(c5.969,74.295) 5.969,70.295 ; 4.059,2.036 ccw(c6.059,5.5) 6.059,1.5 ; 5.969,78.549 cw(c5.969,74.549) 7.969,78.013 ; 6.059,9.754 cw(c6.059,5.754) 8.059,9.218 ; 7.094,70.468 ccw(c6.059,74.332) 8.887,71.504 ; 7.184,1.673 ccw(c6.149,5.537) 8.977,2.709 ; 8.887,77.34 cw(c6.059,74.512) 9.923,75.547 ; 8.977,8.545 cw(c6.149,5.717) 10.012,6.752 ; 9.56,72.422 ccw(c6.096,74.422) 10.096,74.422 ; 9.65,3.627 ccw(c6.186,5.627) 10.186,5.627 ; 91.111,39.968 cw(c95.111,39.968) 91.647,41.968 ; 91.285,38.843 ccw(c95.148,39.878) 92.32,37.05 ; 92.32,42.886 cw(c95.148,40.058) 94.113,43.921 ; 93.238,36.377 ccw(c95.238,39.841) 95.238,35.841 ; 95.238,44.095 cw(c95.238,40.095) 97.238,43.559 ; 96.363,36.014 ccw(c95.328,39.878) 98.156,37.05 ; 98.156,42.886 cw(c95.328,40.058) 99.192,41.093 ; 98.829,37.968 ccw(c95.365,39.968) 99.365,39.968
  lines w1: 60.35,79.629 60.477,79.502 60.731,79.502

## Text inside footprints (layer, text, board x,y; h text height)
C17: Top Overlay "+" at 15.478,25.053 h0.89
C18: Top Overlay "+" at 3.448,48.712 h0.89